# KiCad board CM4IOv5_upgraded_to_kicadv8.kicad_pcb (continued)
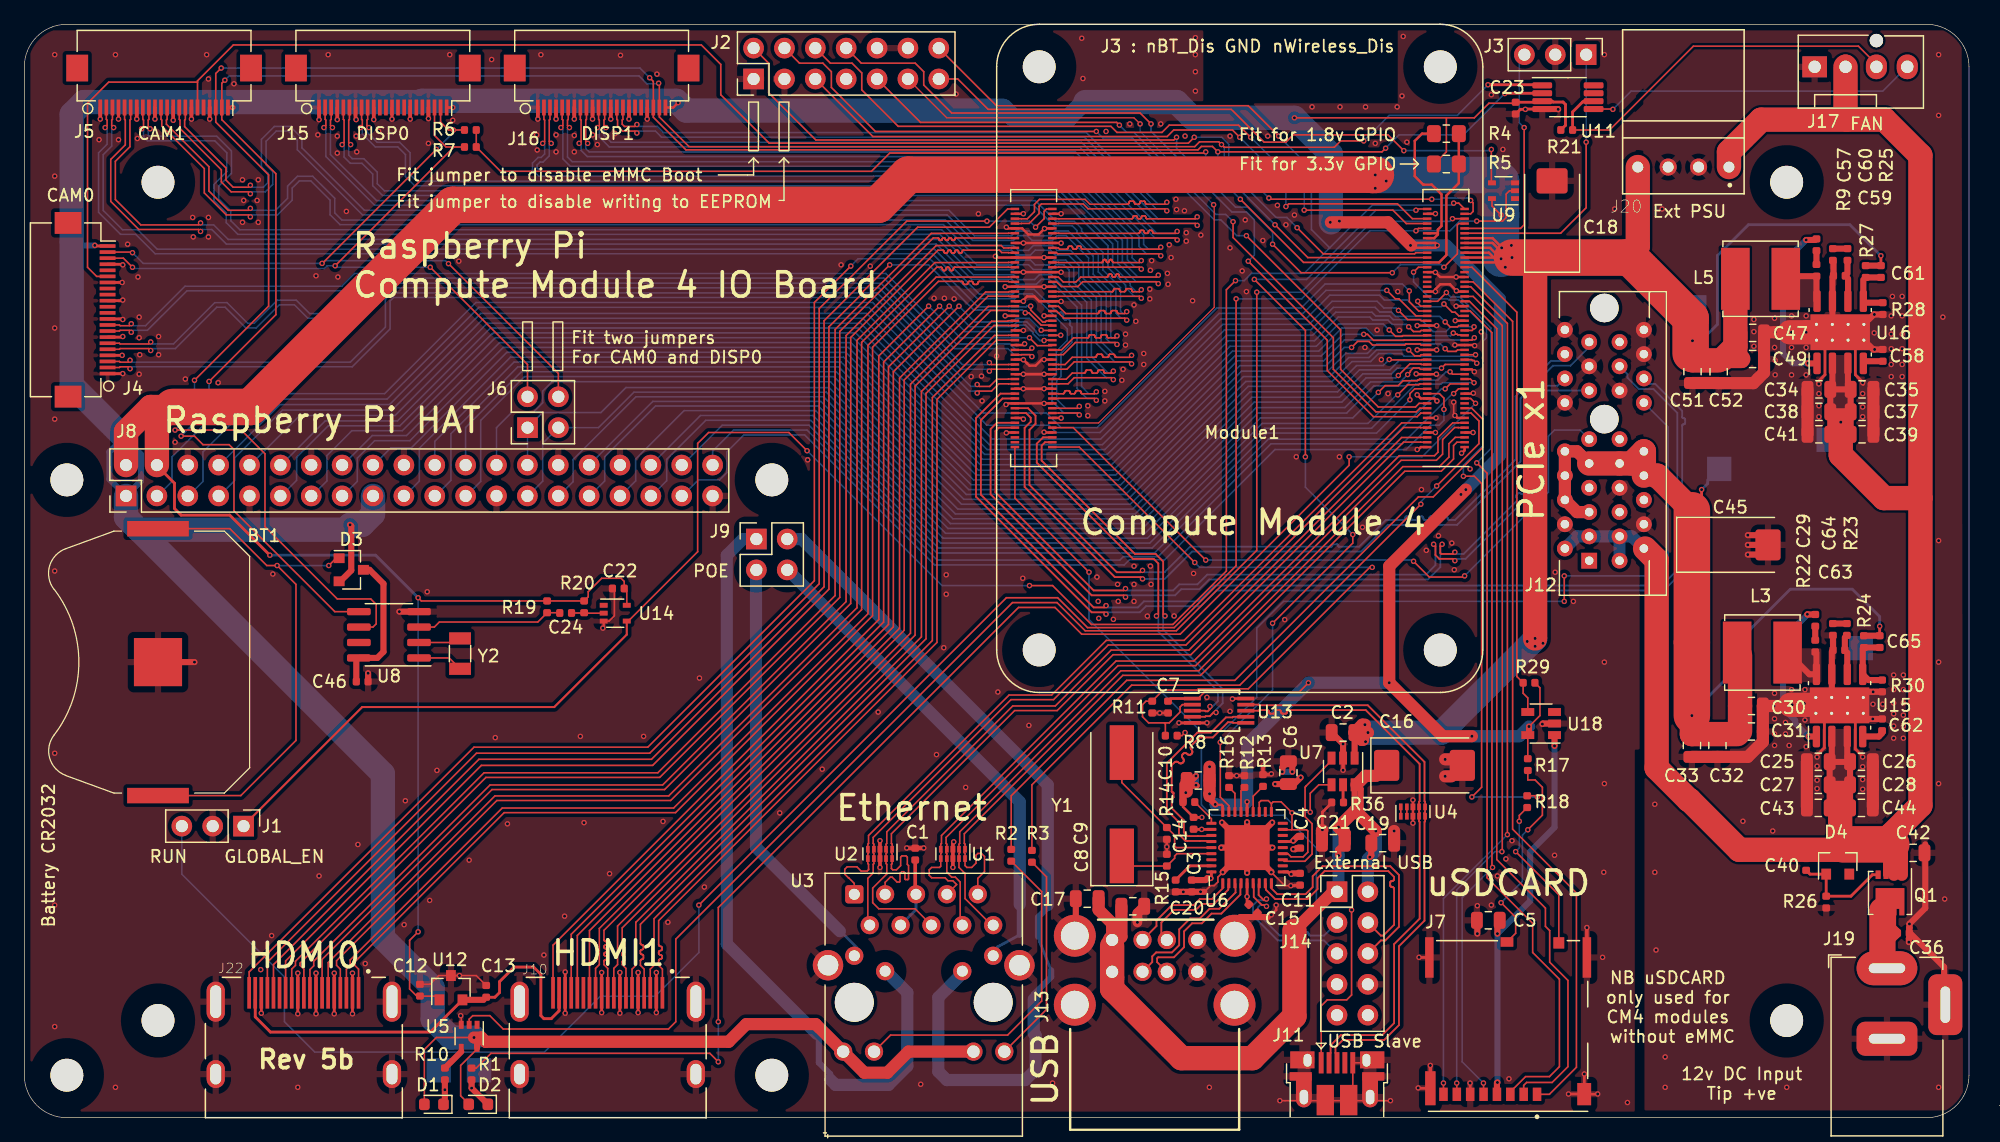
[diagram p0: board, top side]
## Library data of the parts (continued)
R25 = -: Field4: Farnell; Field5: 2331485; Field6: RK73H1ETTP2002F; Field7: KOA EUROPE GMBH; Part Description: Resistor 20K M1005 1% 63mW
R30 R36 = -: Field4: Farnell; Field5: 9239375; Field6: MCR01MZPF1502; Field7: Rohm; Field8: 120891581; Part Description: Resistor 15K M1005 1% 63mW
TP1-TP6 = -: Field4: nf; Field5: nf; Field6: nf; Field7: nf
U1 U2 U4 = -: Field4: Farnell; Field5: 2335455; Field6: CDDFN10-3324P-13; Field7: Bourns; Field8: UDIO00346; Part Description: Quad TVS diode for high speed signals (USB3, GigE etc.)
U3 = -: Field6: TRJG0926HENL; Field7: Trxcon; Field8: UCON00900; Part Description: Gigabit Ethernet Magjack
U5 U9 U14 = -: Field4: Farnell; Field5: 2425492; Field7: Diodes; Part Description: Buffer, Non-Inverting 1 Element 1 Bit per Element Open Drain Output SOT-353
U6 = -: Field4: Farnell; Field5: 2775060; Field7: Microchip; Field8: UICC00931; Part Description: USB Hub Controller USB Interface 36-SQFN (6x6)
U7 = -: Field4: Digikey; Field5: 31-AP22653W6-7CT-ND; Field7: Diodes; Part Description: Power Switch/Driver 1:1 P-Channel 2.1A SOT-23-6
U8 = -: Field4: Farnell; Field5: 2890042; Field7: NXP; Part Description: Real Time Clock (RTC) IC Clock/Calendar I²C, 2-Wire Serial 8-SOIC (0.154", 3.90mm Width)
U11 = -: Field4: Digikey; Field5: EMC2301-1-ACZL-CT-ND; Field7: Microchip; Part Description: Motor Driver PWM 8-MSOP
U12 = -: Field4: Farnell; Field5: 2575555; Field7: RichTek; Field8: USWI00155; Part Description: Power Switch/Driver 1:1 N-Channel 500mA SOT-23-3
U13 = -: Field4: Farnell; Field5: 2564479; Field7: Onsemi; Part Description: USB Switch IC 1 Channel 10-MSOP
U15 U16 = -: Field4: Digikey; Field5: 31-AP64501SP-13CT-ND; Field7: Diodes; Part Description: Buck Switching Regulator IC Positive Adjustable 0.8V 1 Output 5A 8-SOIC (0.154", 3.90mm Width) Exposed Pad
U18 = -: Field4: Farnell; Field5: 2545875; Field7: RichTek; Field8: USWI00166; Part Description: Power Switch/Driver 1:1 N-Channel 1A TSOT-23-5
Y1 = -: Field4: Farnell; Field5: 2508493; Field6: X24M000000S128; Field7: AEL; Part Description: 24MHz Crystal 18pf 30ppm 30ppm
Y2 = -: Field7: AEL; Part Description: Crystal 32.768KHz 7pF 20pmm

## Footprints (pads in the part's own frame, mm; a bottom-side part is the same pattern mirrored in y, then rotated)
BarrelJack_Horizontal
  oval 2.8x5 hole 0.8x3: 1(0,0)
  rrect 2.8x5 hole 0.8x3: 2(-5.8,0)
  rrect 5x2.8 hole 3x0.8: 3(-3,-4.8)
BatteryHolder_Keystone_3034_1x20mm
  rect 1.27x5.08 smd: 1(-10.985,0) 1(10.985,0)
  rect 3.96x3.96 smd: 2(0,0)
C_0402_1005Metric
  rrect 0.59x0.64 smd: 1(-0.485,0) 2(0.485,0)
C_0805_2012Metric
  rrect 0.975x1.4 smd: 1(-0.938,0) 2(0.938,0)
CP_EIA-7343-31_Kemet-D
  rrect 2.075x2.55 smd: 1(-3.112,0) 2(3.112,0)
Crystal_SMD_3215-2Pin_3.2x1.5mm
  rect 1x1.8 smd: 1(1.25,0) 2(-1.25,0)
Crystal_SMD_HC49-SD
  rect 4.5x2 smd: 1(-4.25,0) 2(4.25,0)
D_SOT-23_ANK
  rect 0.9x0.8 smd: (-1,-0.95) 1(1,0) 2(-1,0.95)
Diodes_PowerDI3333-8
  rect 0.6x1 smd: (0.02,0.565) (0.02,-0.565) (0.73,0.565) (0.73,-0.565)
  rect 0.7x0.42 smd: (1.5,0.975) (1.5,0.325) (1.5,-0.325) (1.5,-0.975) 1(-1.5,0.975) 2(-1.5,0.325) 3(-1.5,-0.325) 4(-1.5,-0.975)
  custom 2.25x2.37 smd: 5(0.455,0)
EDAC 690-019-298-412
  rect 0.3x2.6 smd: 1(4.5,0.73) 2(4,0.73) 3(3.5,0.73) 4(3,0.73) 5(2.5,0.73) 6(2,0.73) 7(1.5,0.73) 8(1,0.73) 9(0.5,0.73) 10(0,0.73) 11(-0.5,0.73) 12(-1,0.73) 13(-1.5,0.73) 14(-2,0.73) 15(-2.5,0.73) 16(-3,0.73) 17(-3.5,0.73) 18(-4,0.73) 19(-4.5,0.73)
  oval 1.5x3.3 hole 0.9x2.7: SH1(7.25,0) SH2(-7.25,0)
  oval 1.5x2.3 hole 0.9x1.7: SH3(-7.25,-5.96) SH4(7.25,-5.96)
FanPinHeader_1x04_P2.54mm_Vertical
  round 1.1 hole 1.1 unplated: (5.08,2.16)
  rect 2.03x1.73 hole 1.02: 1(0,0)
  oval 1.73x2.03 hole 1.02: 2(2.54,0) 3(5.08,0) 4(7.62,0)
Hirose_FH12-22S-0.5SH_1x22-1MP_P0.50mm_Horizontal
  rect 0.3x1.3 smd: 1(5.25,1.85) 2(4.75,1.85) 3(4.25,1.85) 4(3.75,1.85) 5(3.25,1.85) 6(2.75,1.85) 7(2.25,1.85) 8(1.75,1.85) 9(1.25,1.85) 10(0.75,1.85) 11(0.25,1.85) 12(-0.25,1.85) 13(-0.75,1.85) 14(-1.25,1.85) 15(-1.75,1.85) 16(-2.25,1.85) 17(-2.75,1.85) 18(-3.25,1.85) 19(-3.75,1.85) 20(-4.25,1.85) 21(-4.75,1.85) 22(-5.25,1.85)
  rect 1.8x2.2 smd: MP(-7.15,-1.4) MP(7.15,-1.4)
L_Bourns_SRN6045TA
  rect 2.35x5.1 smd: 1(-2.075,0) 2(2.075,0)
LED_0603_1608Metric
  rrect 0.875x0.95 smd: 1(-0.787,0) 2(0.787,0)
MOLEX_USB_67298-4090
  round 1.5 hole 1: 1(-3.5,5.33) 2(-1,5.33) 3(1,5.33) 4(3.5,5.33) 5(-3.5,2.71) 6(-1,2.71) 7(1,2.71) 8(3.5,2.71)
  round 3.45 hole 2.3: MT1(-6.57,0) MT2(6.57,0) MT3(-6.57,5.68) MT4(6.57,5.68)
MountingHole_2.7mm_M2.5
  round 2.7 hole 2.7 unplated: (0,0)
MSOP-8_3x3mm_P0.65mm
  rrect 1.625x0.5 smd: 1(-2.112,0.975) 2(-2.112,0.325) 3(-2.112,-0.325) 4(-2.112,-0.975) 5(2.112,-0.975) 6(2.112,-0.325) 7(2.112,0.325) 8(2.112,0.975)
MSOP-10_3x3mm_P0.5mm
  rect 1.4x0.3 smd: 1(-2.2,1) 2(-2.2,0.5) 3(-2.2,0) 4(-2.2,-0.5) 5(-2.2,-1) 6(2.2,-1) 7(2.2,-0.5) 8(2.2,0) 9(2.2,0.5) 10(2.2,1)
PCIex1-36
  round 2.35 hole 2.35 unplated: (11.65,-1.25) (20.8,-1.25)
  rect 1.3x1.3 hole 0.7: A1(0,0)
  round 1.3 hole 0.7: A2(1,2) A3(2,0) A4(3,2) A5(4,0) A6(5,2) A7(6,0) A8(7,2) A9(8,0) A10(9,2) A11(10,0) A12(13,2) A13(14,0) A14(15,2) A15(16,0) A16(17,2) A17(18,0) A18(19,2) B1(0,-2.5) B2(1,-4.5) B3(2,-2.5) B4(3,-4.5) B5(4,-2.5) B6(5,-4.5) B7(6,-2.5) B8(7,-4.5) B9(8,-2.5) B10(9,-4.5) B11(10,-2.5) B12(13,-4.5) B13(14,-2.5) B14(15,-4.5) B15(16,-2.5) B16(17,-4.5) B17(18,-2.5) B18(19,-4.5)
PinHeader_1x03_P2.54mm_Vertical
  rect 1.7x1.7 hole 1: 1(0,0)
  oval 1.7x1.7 hole 1: 2(0,-2.54) 3(0,-5.08)
PinHeader_2x02_P2.54mm_Vertical
  rect 1.7x1.7 hole 1: 1(0,0)
  oval 1.7x1.7 hole 1: 2(2.54,0) 3(0,-2.54) 4(2.54,-2.54)
PinHeader_2x05_P2.54mm_Vertical
  rect 1.7x1.7 hole 1: 1(0,0)
  oval 1.7x1.7 hole 1: 2(2.54,0) 3(0,-2.54) 4(2.54,-2.54) 5(0,-5.08) 6(2.54,-5.08) 7(0,-7.62) 8(2.54,-7.62) 9(0,-10.16) 10(2.54,-10.16)
PinHeader_2x07_P2.54mm_Vertical
  rect 1.7x1.7 hole 1: 1(0,0)
  oval 1.7x1.7 hole 1: 2(2.54,0) 3(0,-2.54) 4(2.54,-2.54) 5(0,-5.08) 6(2.54,-5.08) 7(0,-7.62) 8(2.54,-7.62) 9(0,-10.16) 10(2.54,-10.16) 11(0,-12.7) 12(2.54,-12.7) 13(0,-15.24) 14(2.54,-15.24)
PinHeader_2x20_P2.54mm_Vertical
  rect 1.7x1.7 hole 1: 1(0,0)
  oval 1.7x1.7 hole 1: 2(2.54,0) 3(0,-2.54) 4(2.54,-2.54) 5(0,-5.08) 6(2.54,-5.08) 7(0,-7.62) 8(2.54,-7.62) 9(0,-10.16) 10(2.54,-10.16) 11(0,-12.7) 12(2.54,-12.7) 13(0,-15.24) 14(2.54,-15.24) 15(0,-17.78) 16(2.54,-17.78) 17(0,-20.32) 18(2.54,-20.32) 19(0,-22.86) 20(2.54,-22.86) 21(0,-25.4) 22(2.54,-25.4) 23(0,-27.94) 24(2.54,-27.94) 25(0,-30.48) 26(2.54,-30.48) 27(0,-33.02) 28(2.54,-33.02) 29(0,-35.56) 30(2.54,-35.56) 31(0,-38.1) 32(2.54,-38.1) 33(0,-40.64) 34(2.54,-40.64) 35(0,-43.18) 36(2.54,-43.18) 37(0,-45.72) 38(2.54,-45.72) 39(0,-48.26) 40(2.54,-48.26)
QFN-36-1EP_6x6mm_P0.5mm_EP3.7x3.7mm
  rrect 0.99x0.99 smd: (-1.23,1.23) (-1.23,0) (-1.23,-1.23) (0,1.23) (0,0) (0,-1.23) (1.23,1.23) (1.23,0) (1.23,-1.23)
  rrect 0.825x0.25 smd: 1(-2.938,2) 2(-2.938,1.5) 3(-2.938,1) 4(-2.938,0.5) 5(-2.938,0) 6(-2.938,-0.5) 7(-2.938,-1) 8(-2.938,-1.5) 9(-2.938,-2) 19(2.938,-2) 20(2.938,-1.5) 21(2.938,-1) 22(2.938,-0.5) 23(2.938,0) 24(2.938,0.5) 25(2.938,1) 26(2.938,1.5) 27(2.938,2)
  rrect 0.25x0.825 smd: 10(-2,-2.938) 11(-1.5,-2.938) 12(-1,-2.938) 13(-0.5,-2.938) 14(0,-2.938) 15(0.5,-2.938) 16(1,-2.938) 17(1.5,-2.938) 18(2,-2.938) 28(2,2.938) 29(1.5,2.938) 30(1,2.938) 31(0.5,2.938) 32(0,2.938) 33(-0.5,2.938) 34(-1,2.938) 35(-1.5,2.938) 36(-2,2.938)
  rrect 3.7x3.7 smd: 37(0,0)
R_0402_1005Metric
  rrect 0.59x0.64 smd: 1(-0.485,0) 2(0.485,0)
R_0805_2012Metric_Pad1.15x1.40mm_HandSolder
  rrect 1.15x1.4 smd: 1(-1.025,0) 2(1.025,0)
Raspberry-Pi-4-Compute-Module
  round 2.7 hole 2.7 unplated: (0,48) (0,0) (33,48) (33,0)
  rect 0.7x0.2 smd: 1(-2,31.3) 2(1.08,31.3) 3(-2,30.9) 4(1.08,30.9) 5(-2,30.5) 6(1.08,30.5) 7(-2,30.1) 8(1.08,30.1) 9(-2,29.7) 10(1.08,29.7) 11(-2,29.3) 12(1.08,29.3) 13(-2,28.9) 14(1.08,28.9) 15(-2,28.5) 16(1.08,28.5) 17(-2,28.1) 18(1.08,28.1) 19(-2,27.7) 20(1.08,27.7) 21(-2,27.3) 22(1.08,27.3) 23(-2,26.9) 24(1.08,26.9) 25(-2,26.5) 26(1.08,26.5) 27(-2,26.1) 28(1.08,26.1) 29(-2,25.7) 30(1.08,25.7) 31(-2,25.3) 32(1.08,25.3) 33(-2,24.9) 34(1.08,24.9) 35(-2,24.5) 36(1.08,24.5) 37(-2,24.1) 38(1.08,24.1) 39(-2,23.7) 40(1.08,23.7) 41(-2,23.3) 42(1.08,23.3) 43(-2,22.9) 44(1.08,22.9) 45(-2,22.5) 46(1.08,22.5) 47(-2,22.1) 48(1.08,22.1) 49(-2,21.7) 50(1.08,21.7) 51(-2,21.3) 52(1.08,21.3) 53(-2,20.9) 54(1.08,20.9) 55(-2,20.5) 56(1.08,20.5) 57(-2,20.1) 58(1.08,20.1) 59(-2,19.7) 60(1.08,19.7) 61(-2,19.3) 62(1.08,19.3) 63(-2,18.9) 64(1.08,18.9) 65(-2,18.5) 66(1.08,18.5) 67(-2,18.1) 68(1.08,18.1) 69(-2,17.7) 70(1.08,17.7) 71(-2,17.3) 72(1.08,17.3) 73(-2,16.9) 74(1.08,16.9) 75(-2,16.5) 76(1.08,16.5) 77(-2,16.1) 78(1.08,16.1) 79(-2,15.7) 80(1.08,15.7) 81(-2,15.3) 82(1.08,15.3) 83(-2,14.9) 84(1.08,14.9) 85(-2,14.5) 86(1.08,14.5) 87(-2,14.1) 88(1.08,14.1) 89(-2,13.7) 90(1.08,13.7) 91(-2,13.3) 92(1.08,13.3) 93(-2,12.9) 94(1.08,12.9) 95(-2,12.5) 96(1.08,12.5) 97(-2,12.1) 98(1.08,12.1) 99(-2,11.7) 100(1.08,11.7) 101(31.92,31.3) 102(35,31.3) 103(31.92,30.9) 104(35,30.9) 105(31.92,30.5) 106(35,30.5) 107(31.92,30.1) 108(35,30.1) 109(31.92,29.7) 110(35,29.7) 111(31.92,29.3) 112(35,29.3) 113(31.92,28.9) 114(35,28.9) 115(31.92,28.5) 116(35,28.5) 117(31.92,28.1) 118(35,28.1) 119(31.92,27.7) 120(35,27.7) 121(31.92,27.3) 122(35,27.3) 123(31.92,26.9) 124(35,26.9) 125(31.92,26.5) 126(35,26.5) 127(31.92,26.1) 128(35,26.1) 129(31.92,25.7) 130(35,25.7) 131(31.92,25.3) 132(35,25.3) 133(31.92,24.9) 134(35,24.9) 135(31.92,24.5) 136(35,24.5) 137(31.92,24.1) 138(35,24.1) 139(31.92,23.7) 140(35,23.7) 141(31.92,23.3) 142(35,23.3) 143(31.92,22.9) 144(35,22.9) 145(31.92,22.5) 146(35,22.5) 147(31.92,22.1) 148(35,22.1) 149(31.92,21.7) 150(35,21.7) 151(31.92,21.3) 152(35,21.3) 153(31.92,20.9) 154(35,20.9) 155(31.92,20.5) 156(35,20.5) 157(31.92,20.1) 158(35,20.1) 159(31.92,19.7) 160(35,19.7) 161(31.92,19.3) 162(35,19.3) 163(31.92,18.9) 164(35,18.9) 165(31.92,18.5) 166(35,18.5) 167(31.92,18.1) 168(35,18.1) 169(31.92,17.7) 170(35,17.7) 171(31.92,17.3) 172(35,17.3) 173(31.92,16.9) 174(35,16.9) 175(31.92,16.5) 176(35,16.5) 177(31.92,16.1) 178(35,16.1) 179(31.92,15.7) 180(35,15.7) 181(31.92,15.3) 182(35,15.3) 183(31.92,14.9) 184(35,14.9) 185(31.92,14.5) 186(35,14.5) 187(31.92,14.1) 188(35,14.1) 189(31.92,13.7) 190(35,13.7) 191(31.92,13.3) 192(35,13.3) 193(31.92,12.9) 194(35,12.9) 195(31.92,12.5) 196(35,12.5) 197(31.92,12.1) 198(35,12.1) 199(31.92,11.7) 200(35,11.7)
SDCARD_MOLEX_503398-1892
  rect 0.7x1.1 smd: 1(-2.38,5.625) 2(-1.28,5.625) 3(-0.18,5.625) 4(0.92,5.625) 5(2.02,5.625) 6(3.12,5.625) 7(4.22,5.625) 8(5.32,5.625)
  rect 0.9x0.93 smd: 9(-4.17,-6.84)
  rect 1.05x0.78 smd: 10(0.095,-6.915)
  rect 0.7x3.33 smd: 11(-6.48,-5.64) 11(6.48,-5.64)
  rect 1.14x1.83 smd: 11(-6.26,5.61)
  rect 0.86x2.8 smd: 11(6.4,5.125)
SOIC-8-1EP_3.9x4.9mm_P1.27mm_EP2.95x4.9mm_Mask2.71x3.4mm_ThermalVias
  rrect 1.13x1.42 smd: (-0.68,0.85) (-0.68,-0.85) (0.68,0.85) (0.68,-0.85)
  rect 2.71x3.4 smd: (0,0)
  rrect 1.775x0.6 smd: 1(-2.562,1.905) 2(-2.562,0.635) 3(-2.562,-0.635) 4(-2.562,-1.905) 5(2.562,-1.905) 6(2.562,-0.635) 7(2.562,0.635) 8(2.562,1.905)
  round 0.5 hole 0.25: 9(-0.65,1.95) 9(-0.65,0.65) 9(-0.65,-0.65) 9(-0.65,-1.95) 9(0.65,1.95) 9(0.65,0.65) 9(0.65,-0.65) 9(0.65,-1.95)
  rect 1.8x4.4 smd far side: 9(0,0)
  rect 2.95x4.9 smd: 9(0,0)
SOIC-8_3.9x4.9mm_P1.27mm
  rrect 1.95x0.6 smd: 1(-2.475,1.905) 2(-2.475,0.635) 3(-2.475,-0.635) 4(-2.475,-1.905) 5(2.475,-1.905) 6(2.475,-0.635) 7(2.475,0.635) 8(2.475,1.905)
SOT-23
  rect 0.9x0.8 smd: 1(-1,0.95) 2(-1,-0.95) 3(1,0)
SOT-23-5
  rect 1.06x0.65 smd: 1(-1.1,0.95) 2(-1.1,0) 3(-1.1,-0.95) 4(1.1,-0.95) 5(1.1,0.95)
SOT-23-6
  rect 1.06x0.65 smd: 1(-1.1,0.95) 2(-1.1,0) 3(-1.1,-0.95) 4(1.1,-0.95) 5(1.1,0) 6(1.1,0.95)
SOT-353_SC-70-5
  rect 0.65x0.4 smd: 1(-0.95,0.65) 2(-0.95,0) 3(-0.95,-0.65) 4(0.95,-0.65) 5(0.95,0.65)
TE_171826-4
  rect 1.408x1.408 hole 0.9: 1(-3.75,4.55)
  round 1.408 hole 0.9: 2(-1.25,4.55) 3(1.25,4.55) 4(3.75,4.55)
TestPoint_Pad_2.0x2.0mm
  rect 2x2 smd: 1(0,0)
TRJG0926HENL
  round 3.2 hole 3.2 unplated: (-5.715,0) (5.715,0)
  rrect 1.5x1.5 hole 0.9: 1(-5.715,8.89)
  round 1.5 hole 0.9: 2(-4.445,6.35) 3(-3.175,8.89) 4(-1.905,6.35) 5(-0.635,8.89) 6(0.635,6.35) 7(1.905,8.89) 8(3.175,6.35) 9(4.445,8.89) 10(5.715,6.35) 11(-5.715,3.83) 12(-3.175,2.56) 13(3.175,2.56) 14(5.715,3.83)
  round 1.5 hole 1.02: 15(-6.63,-4.06) 16(-4.09,-4.06) 17(4.09,-4.06) 18(6.63,-4.06)
  round 2.5 hole 1.7: 19(-7.875,3.05) 20(7.875,3.05)
USB_Micro-B_EDAC_UCON00686
  rect 0.4x1.75 smd: 1(-1.3,2.82) 2(-0.65,2.82) 3(0,2.82) 4(0.65,2.82) 5(1.3,2.82)
  rect 1.825x0.7 smd: 6(-2.987,1.7) 6(2.987,1.7)
  rect 2x1.4 smd: 6(-2.85,3.06) 6(2.9,3.06)
  rect 1.3x2 smd: 6(-2.725,0.93) 6(2.725,0.93)
  oval 1.3x1.7 hole 0.7x1.2: 6(-2.725,0) 6(2.725,0)
  oval 1x1.4 hole 0.65x1.05: 6(-2.425,3.03) 6(2.425,3.03)
  rect 1.425x2.5 smd: 6(-0.963,-0.25) 6(0.963,-0.25)
USON-10_2.5x1.0mm_P0.5mm
  rect 0.55x0.3 smd: 1(-0.385,1) 2(-0.385,0.5) 4(-0.385,-0.5) 5(-0.385,-1) 6(0.385,-1) 7(0.385,-0.5) 9(0.385,0.5) 10(0.385,1)
  rect 0.55x0.4 smd: 3(-0.385,0) 8(0.385,0)

## Nets
/+3.3v: C3.1 C4.1 C6.1 C7.1 C10.1 C11.1 C14.1 C15.1 C23.1 D1.2 D2.2 D3.2 J4.22 J5.22 J8.1 J8.17 J15.22 J16.22 Module1.84 Module1.86 R5.1 R17.1 R21.2 R29.1 U3.15 U3.17 U5.5 U6.5 U6.10 U6.15 U6.23 U6.27 U6.29 U6.36 U11.3 U13.1 U18.5
/+5v: C2.1 C12.1 C18.1 C22.1 C47.1 C49.1 C51.1 C52.1 C61.1 J8.2 J8.4 J20.4 L5.2 Module1.77 Module1.79 Module1.81 Module1.83 Module1.85 Module1.87 R19.2 R20.2 R27.1 TP4.1 U7.1 U9.5 U12.1 U14.5
/+12v: C25.1 C26.1 C27.1 C28.1 C34.1 C35.1 C37.1 C38.1 C39.1 C40.1 C41.1 C42.1 C43.1 C44.1 D4.1 J12.A2 J12.A3 J12.B1 J12.B2 J12.B3 J17.2 J20.1 Q1.1 Q1.2 Q1.3 TP2.1 U15.2 U15.3 U16.2 U16.3
/CM4_GPIO ( Ethernet, GPIO, SDCARD)/+1.8v: Module1.88 Module1.90 R4.1
/PCIe-connector/+3.3v: C30.1 C31.1 C32.1 C33.1 C45.1 C65.1 J12.A5 J12.A6 J12.A8 J12.A9 J12.A10 J12.B8 J12.B9 J12.B10 L3.2 R24.1 TP1.1
/USB2-HUB/VBUS: C16.1 C17.1 C19.1 C20.1 C21.1 J13.1 J13.5 J14.1 J14.2 U7.6
GND: BT1.2 C1.2 C2.2 C3.2 C4.2 C5.2 C6.2 C7.2 C8.2 C9.2 C10.2 C11.2 C12.2 C13.2 C14.2 C15.2 C16.2 C17.2 C18.2 C19.2 C20.2 C21.2 C22.2 C23.2 C25.2 C26.2 C27.2 C28.2 C30.2 C31.2 C32.2 C33.2 C34.2 C35.2 C36.2 C37.2 C38.2 C39.2 C41.2 C42.2 C43.2 C44.2 C45.2 C46.2 C47.2 C49.2 C51.2 C52.2 C58.2 C59.2 C60.2 C62.2 C63.2 C64.2 J1.2 J2.1 J2.3 J2.7 J2.10 J2.12 J3.2 J4.1 J4.4 J4.7 J4.10 J4.13 J4.16 J4.19 J5.1 J5.4 J5.7 J5.10 J5.13 J5.16 J5.19 J7.6 J7.11 J8.6 J8.9 J8.14 J8.20 J8.25 J8.30 J8.34 J8.39 J10.2 J10.5 J10.8 J10.11 J10.17 J10.SH1 J10.SH2 J10.SH3 J10.SH4 J11.5 J11.6 J12.A4 J12.A12 J12.A15 J12.A18 J12.B4 J12.B7 J12.B13 J12.B16 J12.B18 J13.4 J13.8 J13.MT1 J13.MT2 J13.MT3 J13.MT4 J14.7 J14.8 J15.1 J15.4 J15.7 J15.10 J15.13 J15.16 J15.19 J16.1 J16.4 J16.7 J16.10 J16.13 J16.16 J16.19 J17.1 J19.2 J19.3 J20.2 J20.3 J22.2 J22.5 J22.8 J22.11 J22.17 J22.SH1 J22.SH2 J22.SH3 J22.SH4 Module1.1 Module1.2 Module1.7 Module1.8 Module1.13 Module1.14 Module1.22 Module1.23 Module1.32 Module1.33 Module1.42 Module1.43 Module1.52 Module1.53 Module1.59 Module1.60 Module1.65 Module1.66 Module1.71 Module1.74 Module1.98 Module1.107 Module1.108 Module1.113 Module1.114 Module1.119 Module1.120 Module1.125 Module1.126 Module1.131 Module1.132 Module1.137 Module1.138 Module1.144 Module1.150 Module1.155 Module1.156 Module1.161 Module1.162 Module1.167 Module1.168 Module1.173 Module1.174 Module1.179 Module1.180 Module1.185 Module1.186 Module1.191 Module1.192 Module1.197 Module1.198 R11.2 R12.2 R13.2 R14.2 R15.1 R16.2 R26.2 R28.2 R30.2 R36.2 TP6.1 U1.3 U1.8 U2.3 U2.8 U3.19 U3.20 U4.3 U4.8 U5.3 U6.37 U7.2 U8.4 U9.3 U11.4 U12.3 U13.5 U13.10 U14.3 U15.7 U15.9 U16.7 U16.9 U18.2
/CM4_GPIO ( Ethernet, GPIO, SDCARD)/AIN0: J2.5 Module1.96
/CM4_GPIO ( Ethernet, GPIO, SDCARD)/AIN1: J2.6 Module1.94
/CM4_GPIO ( Ethernet, GPIO, SDCARD)/BT_nDis: J3.3 Module1.91
/CM4_GPIO ( Ethernet, GPIO, SDCARD)/EEPROM_nWP: J2.4 Module1.20
/CM4_GPIO ( Ethernet, GPIO, SDCARD)/ETH_LEDG: Module1.17 R2.2
/CM4_GPIO ( Ethernet, GPIO, SDCARD)/ETH_LEDY: Module1.15 R3.2
/CM4_GPIO ( Ethernet, GPIO, SDCARD)/GLOBAL_EN: J1.1 J2.14 Module1.99 U14.4
/CM4_GPIO ( Ethernet, GPIO, SDCARD)/GPIO2: J8.3 Module1.58
/CM4_GPIO ( Ethernet, GPIO, SDCARD)/GPIO3: J8.5 Module1.56
/CM4_GPIO ( Ethernet, GPIO, SDCARD)/GPIO4: J8.7 Module1.54
/CM4_GPIO ( Ethernet, GPIO, SDCARD)/GPIO5: J8.29 Module1.34
/CM4_GPIO ( Ethernet, GPIO, SDCARD)/GPIO6: J8.31 Module1.30
/CM4_GPIO ( Ethernet, GPIO, SDCARD)/GPIO7: J8.26 Module1.37
/CM4_GPIO ( Ethernet, GPIO, SDCARD)/GPIO8: J8.24 Module1.39
/CM4_GPIO ( Ethernet, GPIO, SDCARD)/GPIO9: J8.21 Module1.40
/CM4_GPIO ( Ethernet, GPIO, SDCARD)/GPIO10: J8.19 Module1.44
/CM4_GPIO ( Ethernet, GPIO, SDCARD)/GPIO11: J8.23 Module1.38
/CM4_GPIO ( Ethernet, GPIO, SDCARD)/GPIO12: J8.32 Module1.31
/CM4_GPIO ( Ethernet, GPIO, SDCARD)/GPIO13: J8.33 Module1.28
/CM4_GPIO ( Ethernet, GPIO, SDCARD)/GPIO14: J8.8 Module1.55
/CM4_GPIO ( Ethernet, GPIO, SDCARD)/GPIO15: J8.10 Module1.51
/CM4_GPIO ( Ethernet, GPIO, SDCARD)/GPIO16: J8.36 Module1.29
/CM4_GPIO ( Ethernet, GPIO, SDCARD)/GPIO17: J8.11 Module1.50
/CM4_GPIO ( Ethernet, GPIO, SDCARD)/GPIO18: J8.12 Module1.49
/CM4_GPIO ( Ethernet, GPIO, SDCARD)/GPIO19: J8.35 Module1.26
/CM4_GPIO ( Ethernet, GPIO, SDCARD)/GPIO20: J8.38 Module1.27
/CM4_GPIO ( Ethernet, GPIO, SDCARD)/GPIO21: J8.40 Module1.25
/CM4_GPIO ( Ethernet, GPIO, SDCARD)/GPIO22: J8.15 Module1.46
/CM4_GPIO ( Ethernet, GPIO, SDCARD)/GPIO23: J8.16 Module1.47
/CM4_GPIO ( Ethernet, GPIO, SDCARD)/GPIO24: J8.18 Module1.45
/CM4_GPIO ( Ethernet, GPIO, SDCARD)/GPIO25: J8.22 Module1.41
/CM4_GPIO ( Ethernet, GPIO, SDCARD)/GPIO26: J8.37 Module1.24
/CM4_GPIO ( Ethernet, GPIO, SDCARD)/GPIO27: J8.13 Module1.48
/CM4_GPIO ( Ethernet, GPIO, SDCARD)/GPIO_VREF: Module1.78 R4.2 R5.2 R6.1 R7.1
/CM4_GPIO ( Ethernet, GPIO, SDCARD)/ID_SC: J6.1 J8.28 Module1.35
/CM4_GPIO ( Ethernet, GPIO, SDCARD)/ID_SD: J6.3 J8.27 Module1.36
/CM4_GPIO ( Ethernet, GPIO, SDCARD)/nPWR_LED: Module1.95 U5.2
/CM4_GPIO ( Ethernet, GPIO, SDCARD)/nRPIBOOT: J2.2 Module1.93
/CM4_GPIO ( Ethernet, GPIO, SDCARD)/Reserved: Module1.76 R18.1
/CM4_GPIO ( Ethernet, GPIO, SDCARD)/RUN_PG: J1.3 Module1.92 U9.2
/CM4_GPIO ( Ethernet, GPIO, SDCARD)/SD_CLK: J7.5 Module1.57
/CM4_GPIO ( Ethernet, GPIO, SDCARD)/SD_CMD: J7.3 Module1.62
/CM4_GPIO ( Ethernet, GPIO, SDCARD)/SD_DAT0: J7.7 Module1.63
/CM4_GPIO ( Ethernet, GPIO, SDCARD)/SD_DAT1: J7.8 Module1.67
/CM4_GPIO ( Ethernet, GPIO, SDCARD)/SD_DAT2: J7.1 Module1.69
/CM4_GPIO ( Ethernet, GPIO, SDCARD)/SD_DAT3: J7.2 Module1.61
/CM4_GPIO ( Ethernet, GPIO, SDCARD)/SD_PWR: C5.1 J7.4 U18.1
/CM4_GPIO ( Ethernet, GPIO, SDCARD)/SD_PWR_ON: Module1.75 R29.2 U18.4
/CM4_GPIO ( Ethernet, GPIO, SDCARD)/SYNC_IN: J2.8 Module1.16
/CM4_GPIO ( Ethernet, GPIO, SDCARD)/SYNC_OUT: J2.9 Module1.18
/CM4_GPIO ( Ethernet, GPIO, SDCARD)/TR0_TAP: J9.3 U3.11
/CM4_GPIO ( Ethernet, GPIO, SDCARD)/TR1_TAP: J9.1 U3.12
/CM4_GPIO ( Ethernet, GPIO, SDCARD)/TR2_TAP: J9.2 U3.13
/CM4_GPIO ( Ethernet, GPIO, SDCARD)/TR3_TAP: J9.4 U3.14
/CM4_GPIO ( Ethernet, GPIO, SDCARD)/TRD0_N: Module1.10 U2.4 U2.7 U3.2
/CM4_GPIO ( Ethernet, GPIO, SDCARD)/TRD0_P: Module1.12 U2.5 U2.6 U3.1
/CM4_GPIO ( Ethernet, GPIO, SDCARD)/TRD1_N: Module1.6 U2.2 U2.9 U3.6
/CM4_GPIO ( Ethernet, GPIO, SDCARD)/TRD1_P: Module1.4 U2.1 U2.10 U3.3
/CM4_GPIO ( Ethernet, GPIO, SDCARD)/TRD2_N: Module1.9 U1.4 U1.7 U3.8
/CM4_GPIO ( Ethernet, GPIO, SDCARD)/TRD2_P: Module1.11 U1.5 U1.6 U3.7
/CM4_GPIO ( Ethernet, GPIO, SDCARD)/TRD3_N: Module1.5 U1.2 U1.9 U3.10
/CM4_GPIO ( Ethernet, GPIO, SDCARD)/TRD3_P: Module1.3 U1.1 U1.10 U3.9
/CM4_GPIO ( Ethernet, GPIO, SDCARD)/TV_OUT: J2.11 Module1.111
/CM4_GPIO ( Ethernet, GPIO, SDCARD)/WL_nDis: J3.1 Module1.89
/CM4_HighSpeed/CAM0_C_N: J4.8 Module1.140
/CM4_HighSpeed/CAM0_C_P: J4.9 Module1.142
/CM4_HighSpeed/CAM0_D0_N: J4.2 Module1.128
/CM4_HighSpeed/CAM0_D0_P: J4.3 Module1.130
/CM4_HighSpeed/CAM0_D1_N: J4.5 Module1.134
/CM4_HighSpeed/CAM0_D1_P: J4.6 Module1.136
/CM4_HighSpeed/CAM1_C_N: J5.8 Module1.127
/CM4_HighSpeed/CAM1_C_P: J5.9 Module1.129
/CM4_HighSpeed/CAM1_D0_N: J5.2 Module1.115
/CM4_HighSpeed/CAM1_D0_P: J5.3 Module1.117
/CM4_HighSpeed/CAM1_D1_N: J5.5 Module1.121
/CM4_HighSpeed/CAM1_D1_P: J5.6 Module1.123
/CM4_HighSpeed/CAM1_D2_N: J5.11 Module1.133
/CM4_HighSpeed/CAM1_D2_P: J5.12 Module1.135
/CM4_HighSpeed/CAM1_D3_N: J5.14 Module1.139
/CM4_HighSpeed/CAM1_D3_P: J5.15 Module1.141
/CM4_HighSpeed/CAM_GPIO: J4.17 J5.17 Module1.97
/CM4_HighSpeed/DSI0_C_N: J15.8 Module1.169
/CM4_HighSpeed/DSI0_C_P: J15.9 Module1.171
/CM4_HighSpeed/DSI0_D0_N: J15.2 Module1.157
/CM4_HighSpeed/DSI0_D0_P: J15.3 Module1.159
/CM4_HighSpeed/DSI0_D1_N: J15.5 Module1.163
/CM4_HighSpeed/DSI0_D1_P: J15.6 Module1.165
/CM4_HighSpeed/DSI1_C_N: J16.8 Module1.187
/CM4_HighSpeed/DSI1_C_P: J16.9 Module1.189
/CM4_HighSpeed/DSI1_D0_N: J16.2 Module1.175
/CM4_HighSpeed/DSI1_D0_P: J16.3 Module1.177
/CM4_HighSpeed/DSI1_D1_N: J16.5 Module1.181
/CM4_HighSpeed/DSI1_D1_P: J16.6 Module1.183
/CM4_HighSpeed/DSI1_D2_N: J16.11 Module1.193
/CM4_HighSpeed/DSI1_D2_P: J16.12 Module1.195
/CM4_HighSpeed/DSI1_D3_N: J16.14 Module1.194
/CM4_HighSpeed/DSI1_D3_P: J16.15 Module1.196
/CM4_HighSpeed/HDMI0_CEC: J22.13 Module1.151
/CM4_HighSpeed/HDMI0_CK_N: J22.12 Module1.190
/CM4_HighSpeed/HDMI0_CK_P: J22.10 Module1.188
/CM4_HighSpeed/HDMI0_D0_N: J22.9 Module1.184
/CM4_HighSpeed/HDMI0_D0_P: J22.7 Module1.182
/CM4_HighSpeed/HDMI0_D1_N: J22.6 Module1.178
/CM4_HighSpeed/HDMI0_D1_P: J22.4 Module1.176
/CM4_HighSpeed/HDMI0_D2_N: J22.3 Module1.172
/CM4_HighSpeed/HDMI0_D2_P: J22.1 Module1.170
/CM4_HighSpeed/HDMI0_HOTPLUG: J22.19 Module1.153
/CM4_HighSpeed/HDMI0_SCL: J22.15 Module1.200
/CM4_HighSpeed/HDMI0_SDA: J22.16 Module1.199
/CM4_HighSpeed/HDMI1_CEC: J10.13 Module1.149
/CM4_HighSpeed/HDMI1_CK_N: J10.12 Module1.166
/CM4_HighSpeed/HDMI1_CK_P: J10.10 Module1.164
/CM4_HighSpeed/HDMI1_D0_N: J10.9 Module1.160
/CM4_HighSpeed/HDMI1_D0_P: J10.7 Module1.158
/CM4_HighSpeed/HDMI1_D1_N: J10.6 Module1.154
/CM4_HighSpeed/HDMI1_D1_P: J10.4 Module1.152
/CM4_HighSpeed/HDMI1_D2_N: J10.3 Module1.148
/CM4_HighSpeed/HDMI1_D2_P: J10.1 Module1.146
/CM4_HighSpeed/HDMI1_HOTPLUG: J10.19 Module1.143
/CM4_HighSpeed/HDMI1_SCL: J10.15 Module1.147
/CM4_HighSpeed/HDMI1_SDA: J10.16 Module1.145
/CM4_HighSpeed/HDMI_5v: C13.1 J10.18 J22.18 U12.2
/CM4_HighSpeed/PCIE_CLK_N: J12.A14 Module1.112
/CM4_HighSpeed/PCIE_CLK_nREQ: J12.B12 Module1.102
/CM4_HighSpeed/PCIE_CLK_P: J12.A13 Module1.110
/CM4_HighSpeed/PCIE_nRST: J12.A11 Module1.109
/CM4_HighSpeed/PCIE_RX_N: J12.A16 Module1.118
/CM4_HighSpeed/PCIE_RX_P: J12.A17 Module1.116
/CM4_HighSpeed/PCIE_TX_N: J12.B14 Module1.124
/CM4_HighSpeed/PCIE_TX_P: J12.B15 Module1.122
/CM4_HighSpeed/SCL0: J5.20 J16.20 Module1.80 U8.6 U11.2
/CM4_HighSpeed/SCL1: J4.20 J6.2 J15.20 R7.2
/CM4_HighSpeed/SDA0: J5.21 J16.21 Module1.82 U8.5 U11.1
/CM4_HighSpeed/SDA1: J4.21 J6.4 J15.21 R6.2
/CM4_HighSpeed/USB2_N: Module1.103 U13.4
/CM4_HighSpeed/USB2_P: Module1.105 U13.3
/CM4_HighSpeed/USBOTG_ID: Module1.101 R8.2 R11.1 U13.2
/nEXTRST: Module1.100 U6.26
/RTC , Wakeup, FAN/nRTC_INT: C24.2 R19.1 U8.3
/USB2-HUB/HD1_N: J13.2 U6.1
/USB2-HUB/HD1_P: J13.3 U6.2
/USB2-HUB/HD2_N: J13.6 U6.3
/USB2-HUB/HD2_P: J13.7 U6.4
/USB2-HUB/HD3_N: J14.3 U6.6
/USB2-HUB/HD3_P: J14.5 U6.7
/USB2-HUB/HD4_N: J14.4 U6.8
/USB2-HUB/HD4_P: J14.6 U6.9
/USB2-HUB/nOCS1: U6.13 U6.17 U6.19 U6.21 U7.4
/USB2-HUB/PWR1: U6.12 U7.3
/USB2-HUB/USBD_N: J11.2 U4.4 U4.7 U13.8
/USB2-HUB/USBD_P: J11.3 U4.5 U4.6 U13.9
/USB2-HUB/USBH_N: U6.30 U13.6
/USB2-HUB/USBH_P: U6.31 U13.7
Net-(BT1-Pad1): BT1.1 D3.1
Net-(C1-Pad1): C1.1 U3.4 U3.5
Net-(C8-Pad1): C8.1 U6.33 Y1.1
Net-(C9-Pad1): C9.1 U6.32 Y1.2
Net-(C24-Pad1): C24.1 R20.1 U14.2
Net-(C29-Pad1): C29.1 R22.2
Net-(C29-Pad2): C29.2 U15.1
Net-(C36-Pad1): C36.1 J19.1 Q1.5
Net-(C40-Pad2): C40.2 D4.2 Q1.4 R26.1
Net-(C46-Pad1): C46.1 D3.3 U8.8
Net-(C57-Pad1): C57.1 R9.2
Net-(C57-Pad2): C57.2 U16.1
Net-(C58-Pad1): C58.1 U16.4
Net-(C59-Pad1): C59.1 R25.1 U16.6
Net-(C60-Pad1): C60.1 R25.2
Net-(C61-Pad2): C61.2 R27.2 R28.1 U16.5
Net-(C62-Pad1): C62.1 U15.4
Net-(C63-Pad1): C63.1 R23.1 U15.6
Net-(C64-Pad1): C64.1 R23.2
Net-(C65-Pad2): C65.2 R24.2 R30.1 U15.5